# Altium PCB UHF-QM1.PcbDoc (part 1 of 2)
Units mm, origin at the board's own origin, x right, y up, seen from the top; angles counter-clockwise.
Board outline 90.12 x 93.93 mm, 4 copper layers (Top Layer, Inner 1 GND, Inner 2 GND, Bottom Layer), stack 1.515 mm thick; 122 components, 85 nets, 507 pads, 430 vias.
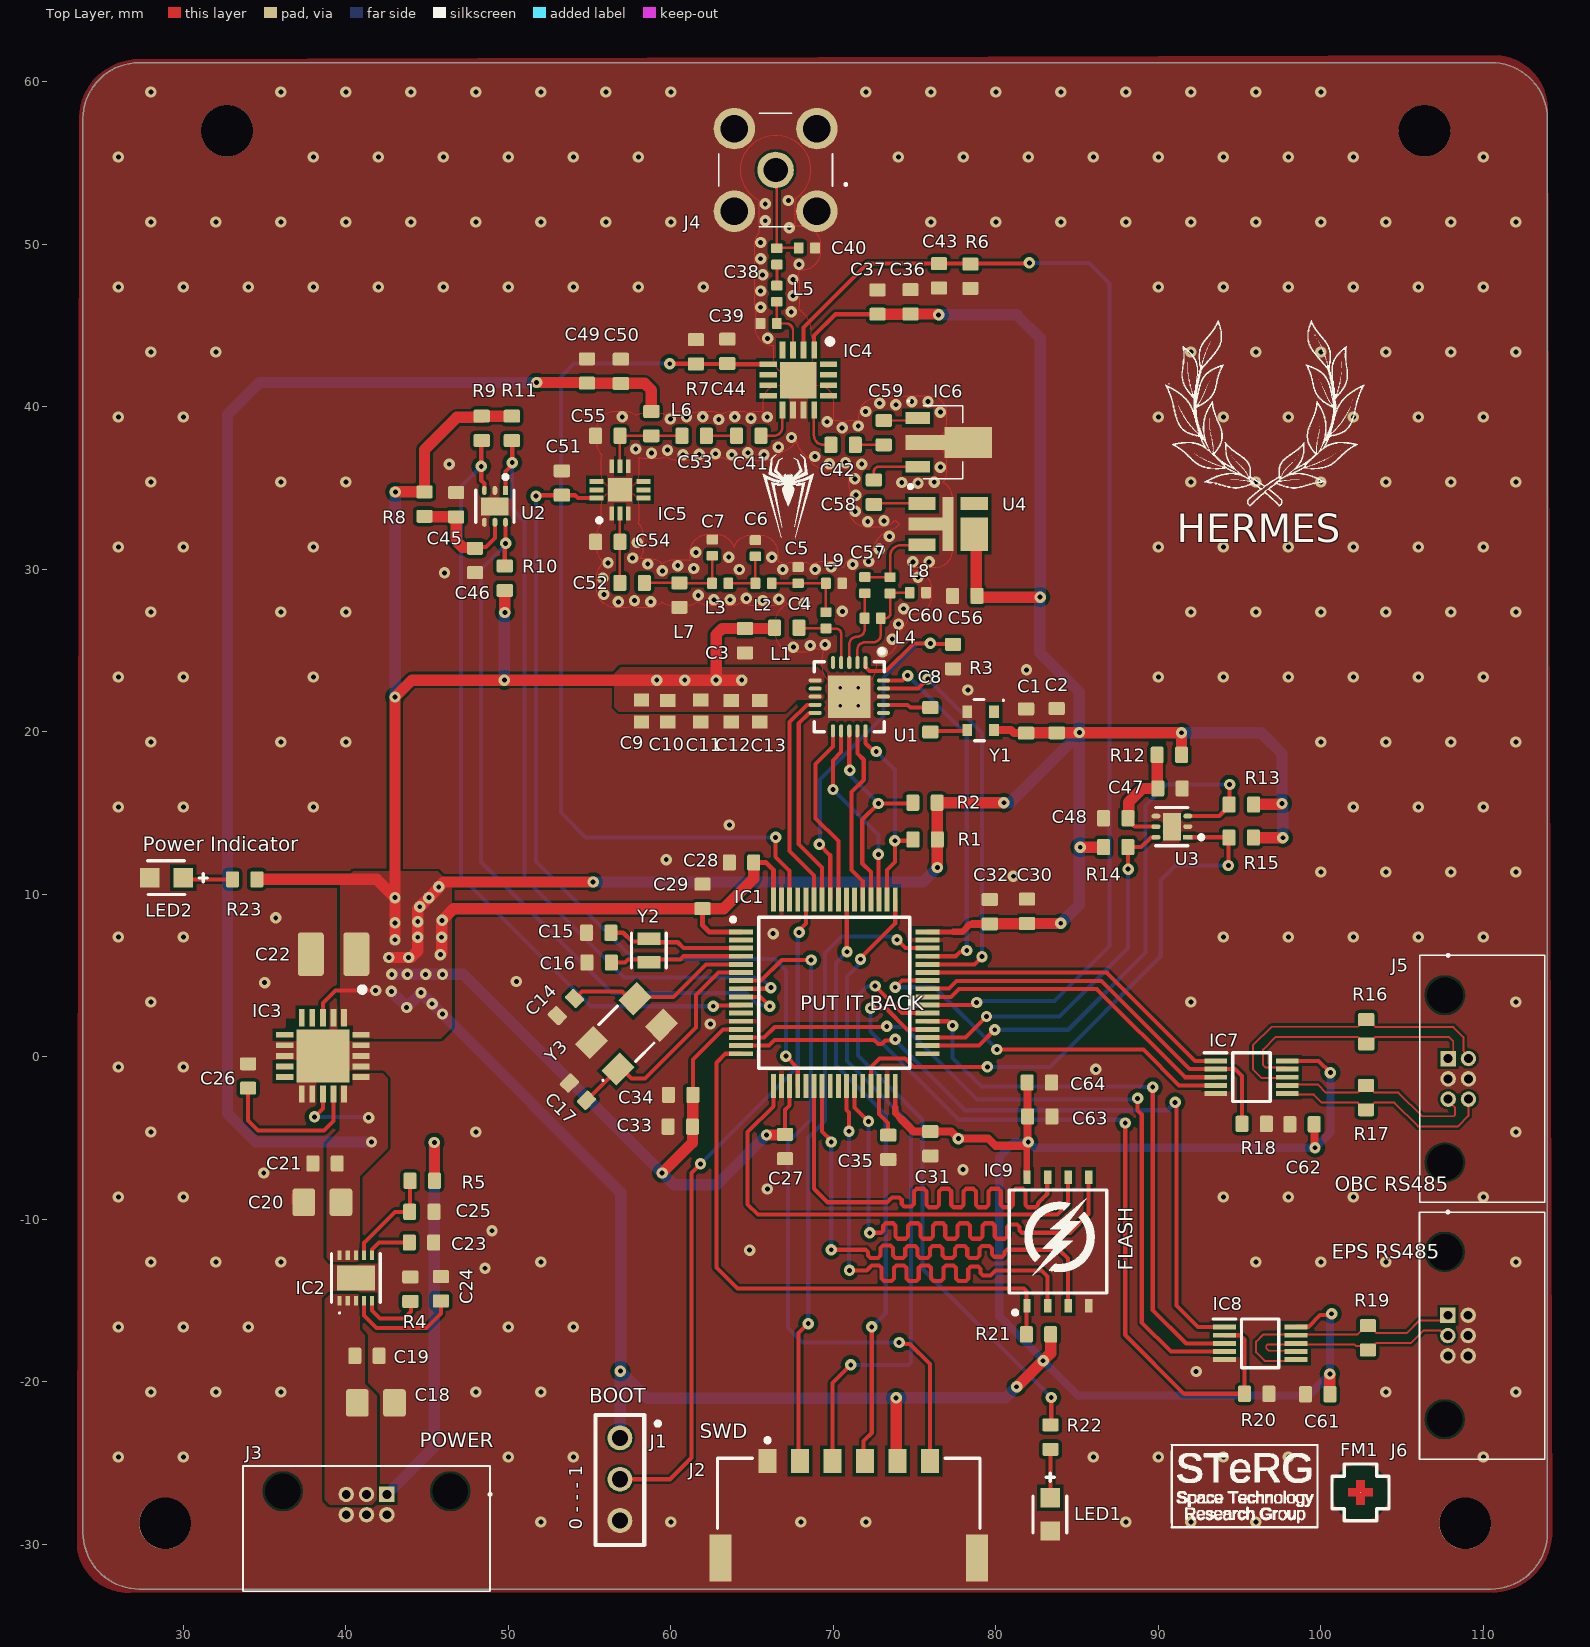
[diagram p0: Top Layer view]
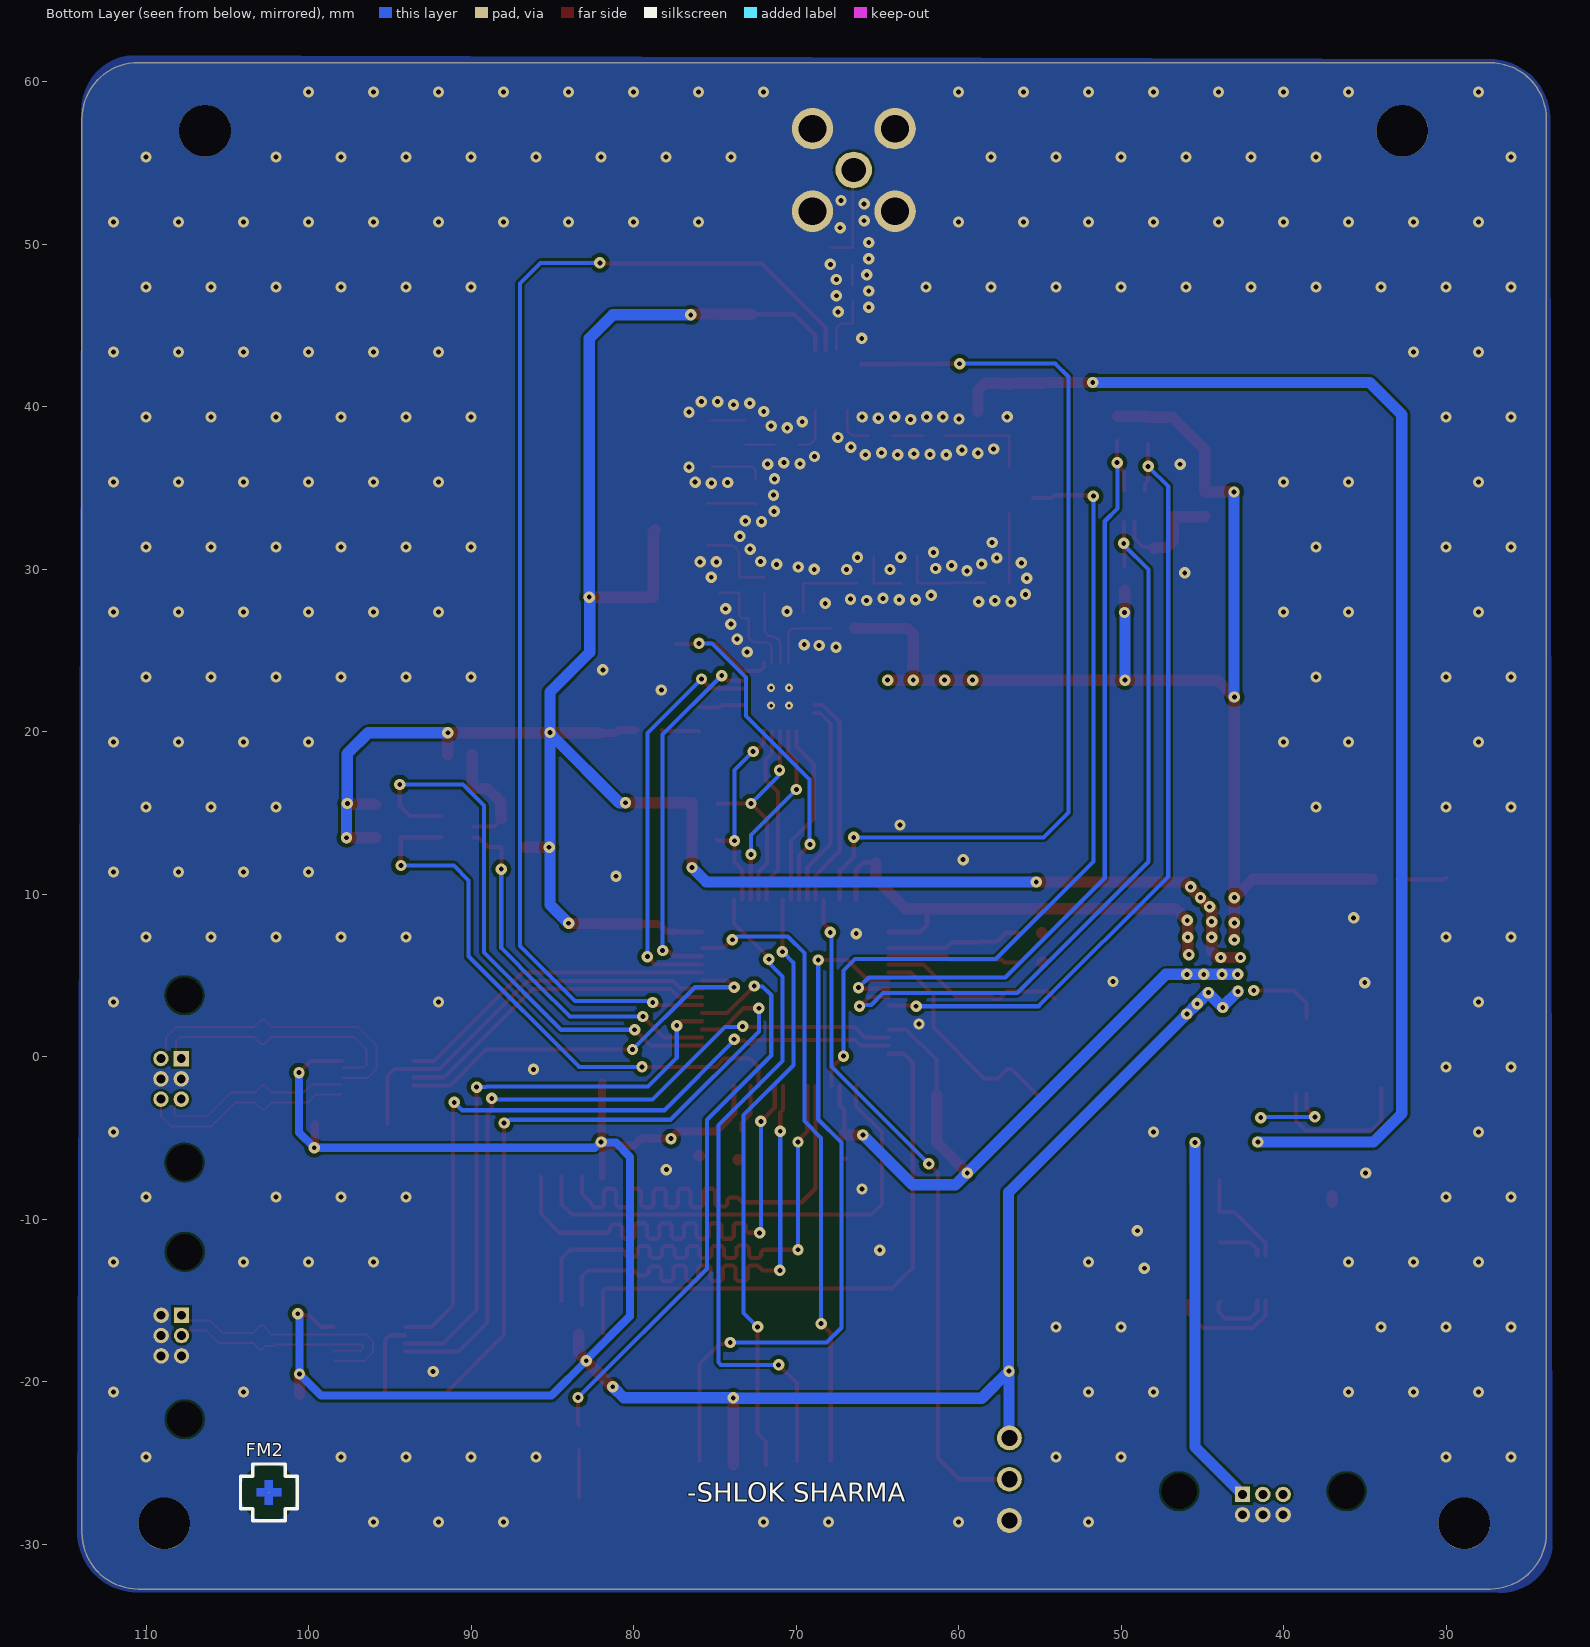
[diagram p1: Bottom Layer view, seen from below]
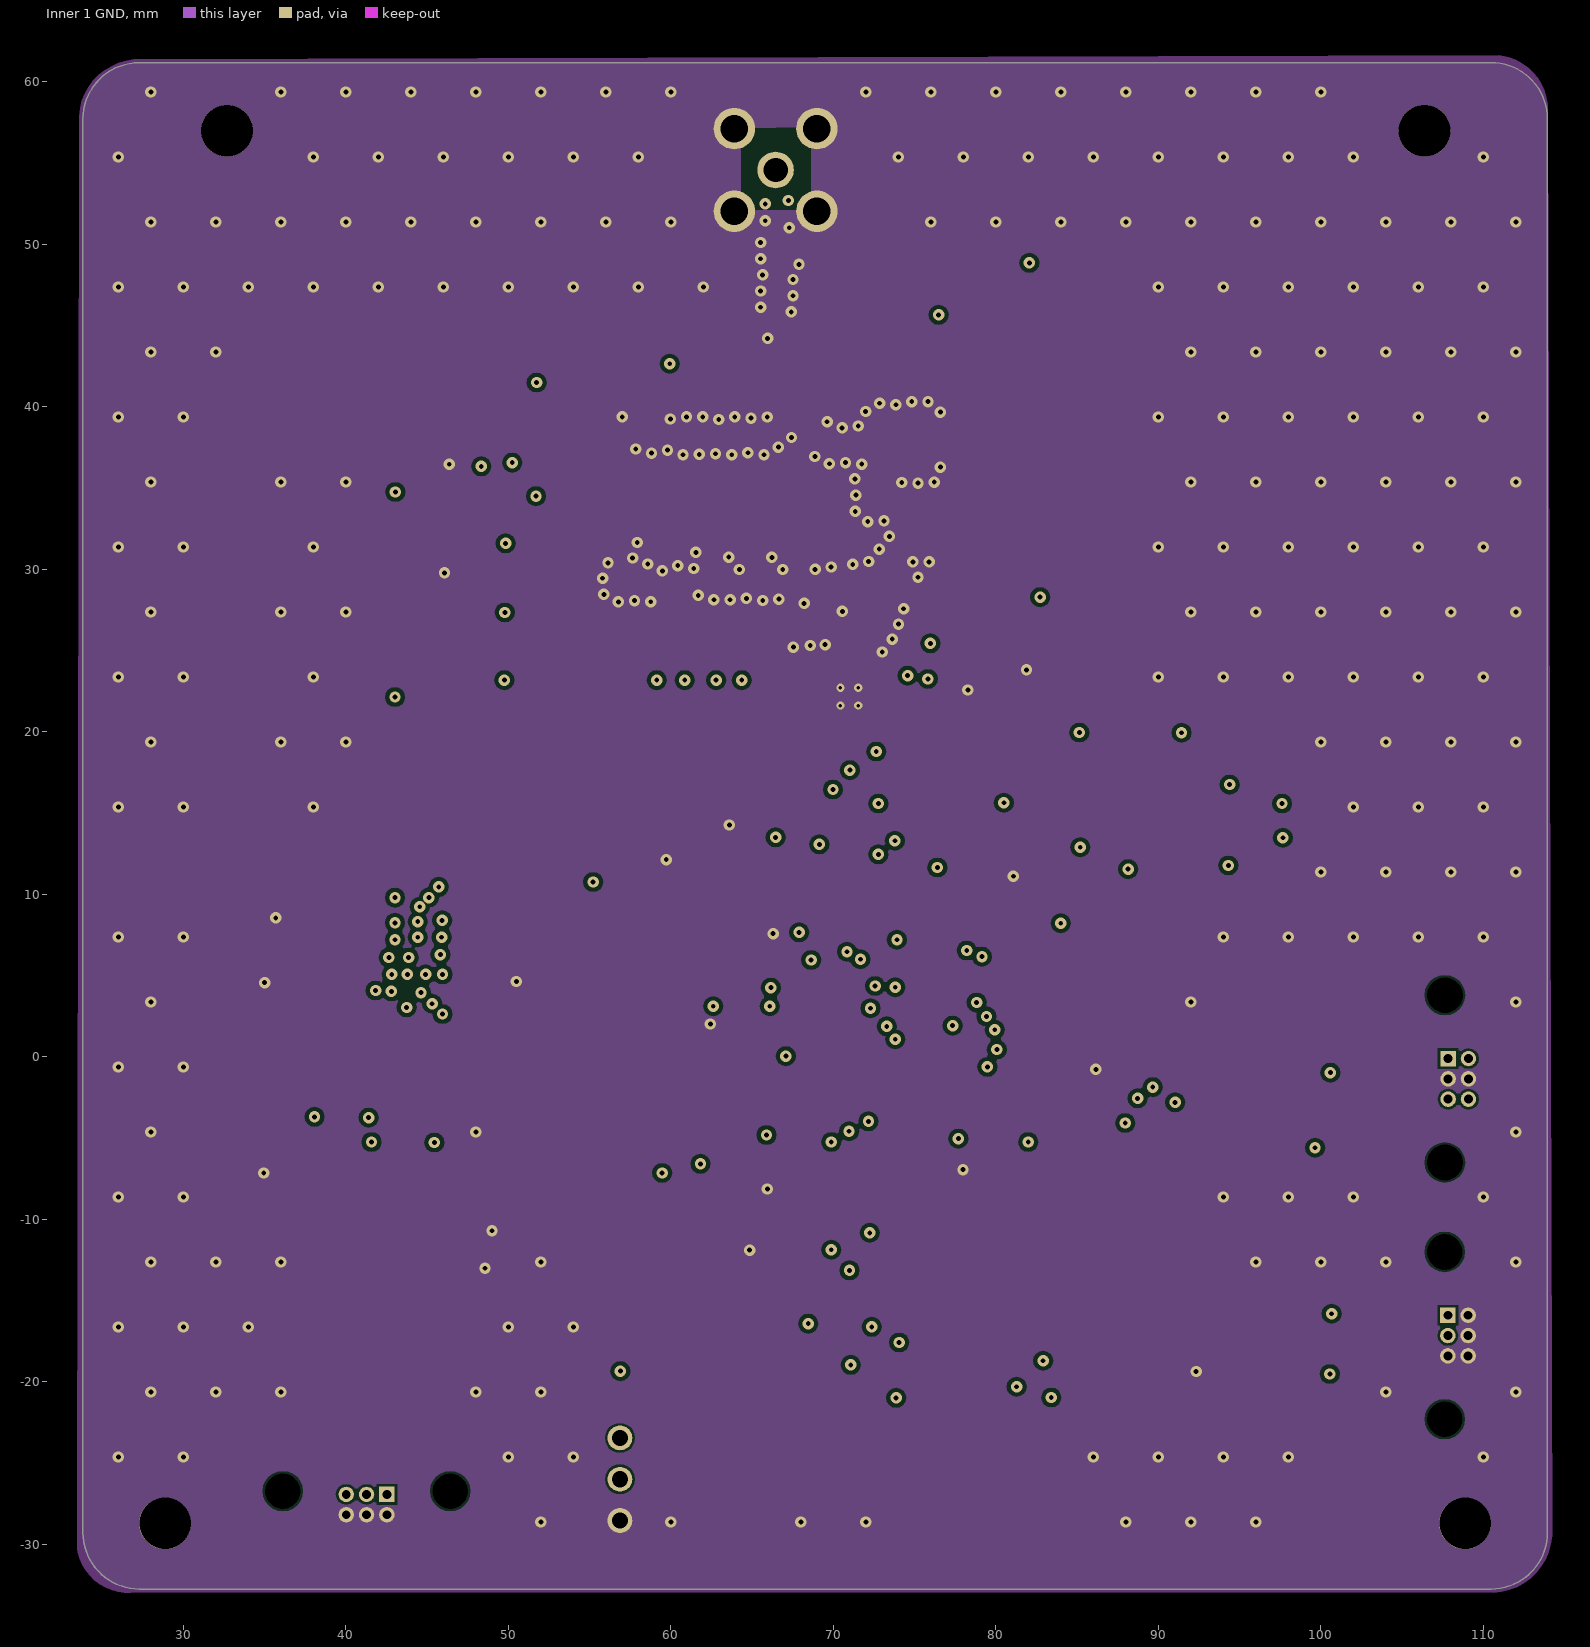
[diagram p2: Inner 1 GND]
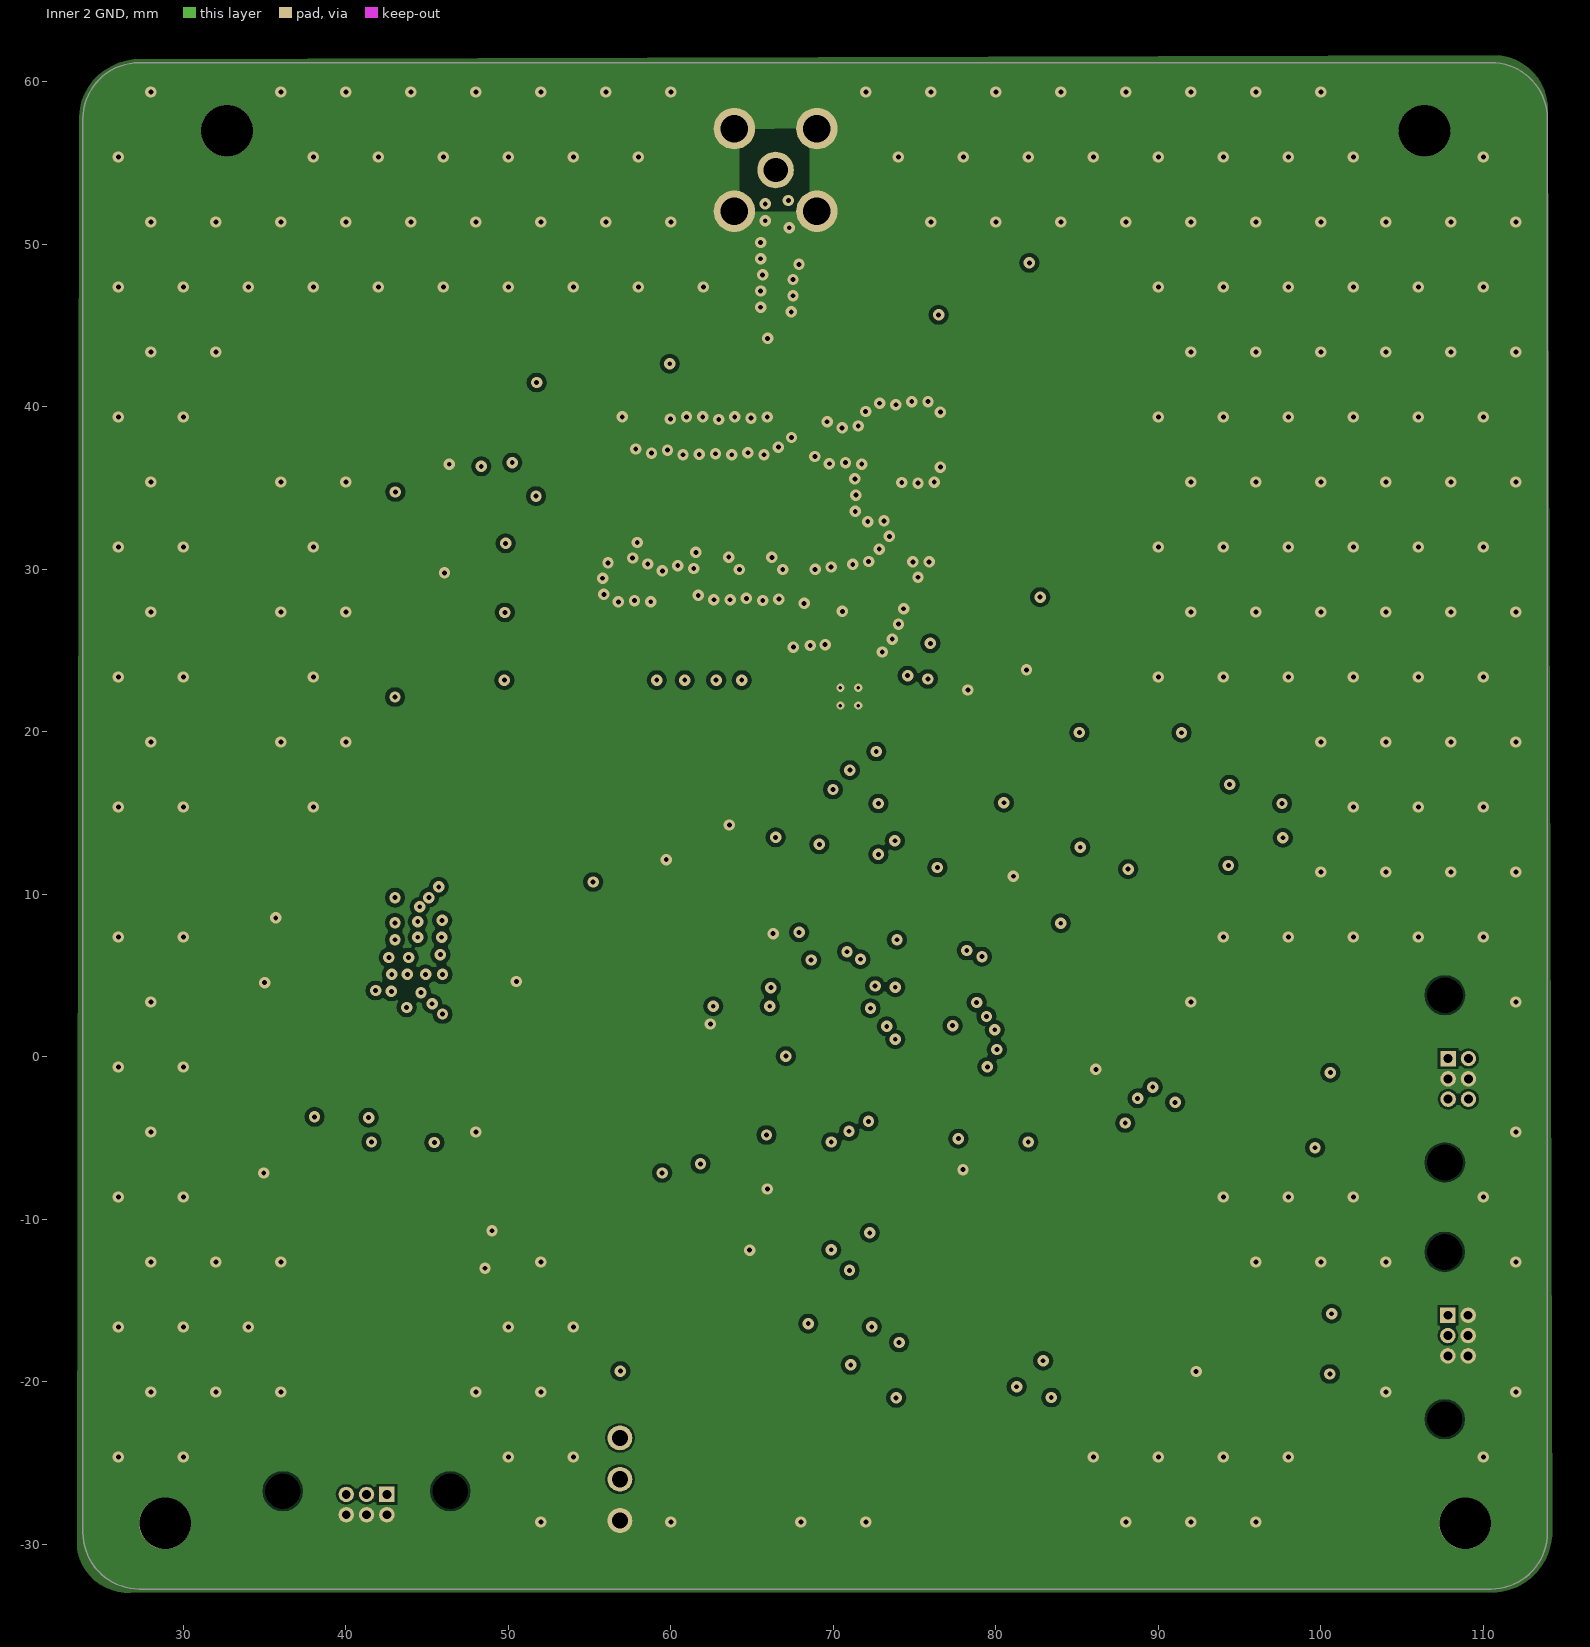
[diagram p3: Inner 2 GND]
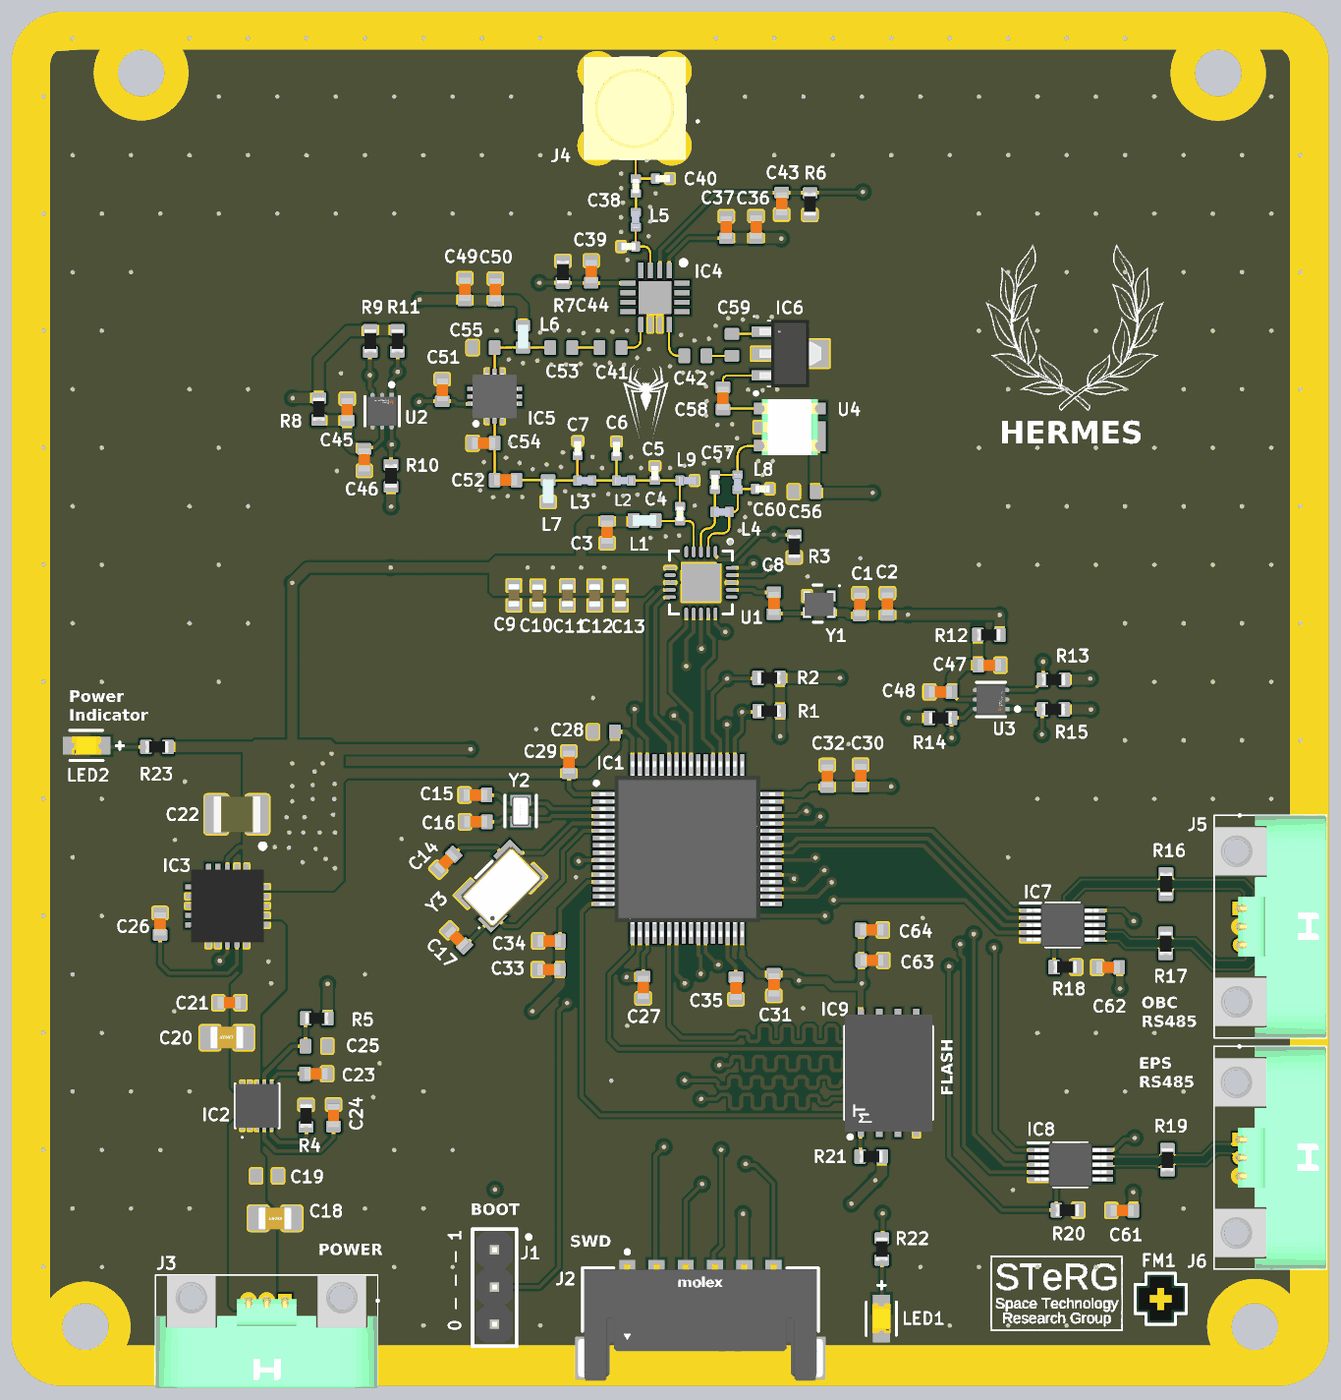
[diagram p5: 3D render of the assembled board from above, using the file's embedded part models]

## Layer stack, top to bottom
Top Solder: solder mask 0.025, SM-001, Dk 4
Top Layer: signal copper 0.0175
Dielectric 1: prepreg 0.105, PP-014, Dk 4.2
Inner 1 GND: signal copper 0.035
Dielectric 3: core 1.2, Core-043, Dk 4.3
Inner 2 GND: signal copper 0.035
Dielectric 4: prepreg 0.105, PP-014, Dk 4.2
Bottom Layer: signal copper 0.0175
Bottom Solder: solder mask 0.025, SM-001, Dk 4

## Board outline
23.825,-29.272 23.825,57.72 cw(c27.294,57.72) 27.294,61.189 110.476,61.189 cw(c110.476,57.72) 113.944,57.72 113.944,-29.272 cw(c110.476,-29.272) 110.476,-32.741 27.294,-32.741 cw(c27.294,-29.272)

## Design rules (kind name [scope] priority, off if disabled: settings)
BoardOutlineClearance [(InNet('GND') AND IsPolygon)] p1: gap=0.254 ignorepadtopadclearanceinfootprint=FALSE except(0: Arc-SplitContinuation Track-SplitContinuation SMDPad-SplitContinuation THPad-SplitContinuation Via-SplitContinuation Fill-SplitContinuation Poly-OutlineEdge Poly-SplitContinuation Region-SplitContinuation Text-SplitContinuation)
Clearance [All] p1: gap=0.15 ignorepadtopadclearanceinfootprint=FALSE except(0.127: Arc-THPad Arc-Text Arc-Hole Track-THPad Track-Text Track-Hole SMDPad-THPad SMDPad-Hole THPad-THPad THPad-Hole Via-Hole Fill-Hole Poly-Hole Region-Hole Text-Hole; 0.2: Arc-Arc Arc-Track Track-Track SMDPad-Fill SMDPad-Poly SMDPad-Region; 0.25: Via-Fill Via-Poly Via-Region; 0.254: Arc-Via Track-Via SMDPad-Via SMDPad-Text THPad-Via THPad-Text Via-Via Via-Text Fill-Text Poly-Text Region-Text Text-Text)
DiffPairsRouting [All] p1: maxlimit=1.5 minlimit=0.07 mostfreqgap=0.5 toplayer_minwidth=0.12 toplayer_maxwidth=0.15 toplayer_prefwidth=0.12 midlayer1_mingap=0.1 midlayer1_minwidth=0.12 midlayer1_maxwidth=0.15 midlayer1_prefwidth=0.12 midlayer2_mingap=0.1 midlayer2_minwidth=0.12 midlayer2_maxwidth=0.15 midlayer2_prefwidth=0.12 bottomlayer_mingap=0.1 bottomlayer_minwidth=0.12 bottomlayer_maxwidth=0.15 bottomlayer_prefwidth=0.12 maxuncoupledlength=12.7
HoleSize [All] p1: absolutevalues=TRUE maxlimit=3.5 minlimit=0.025 maxpercent=80.000 minpercent=20.000
MatchedLengths [InNetClass('FLASH')] p1: tolerance=25.4 checknetsindiffpair=FALSE checkdiffpairvsdiffpair=TRUE checkxsignals=TRUE checkothers=TRUE usedelayunits=TRUE delaytolerance=20.000000
MinimumSolderMaskSliver [All] p1: minsoldermaskwidth=0.05
PolygonConnect [All] p1: connectstyle=Direct reliefconductorwidth=0.254 reliefentries=4 polygonreliefangle="90 Angle" airgapwidth=0.254
RoutingVias [All] p1: holewidth=0.3 width=0.7 viastyle="Through Hole" minholewidth=0.3 minwidth=0.7 maxholewidth=0.3 maxwidth=0.7
SilkToSilkClearance [All] p1: silktosilkclearance=0.15
SilkToSolderMaskClearance [IsPad] p1: minsilkscreentomaskgap=0.15 clearancetoexposedcopper=TRUE
SolderMaskExpansion [All] p1: expansion=0.102 istentingtop=FALSE
SupplyNets "Schematic Supply Nets_1" [InNet('12vefuse')] p1: voltage=0.000
SupplyNets "Schematic Supply Nets_3" [InNet('12v')] p2: voltage=0.000
SupplyNets "Schematic Supply Nets_2" [InNet('GND')] p3: voltage=0.000
SupplyNets "Schematic Supply Nets" [InNet('3v3')] p4: voltage=0.000
Width [InNetClass('rf')] p1: maxlimit=0.254 minlimit=0.1 preferedwidth=0.254 toplayer_maxwidth=0.18 toplayer_prefwidth=0.175 midlayer2_minwidth=0.11 bottomlayer_minwidth=0.11 bottomlayer_maxwidth=0.18 bottomlayer_prefwidth=0.175 minimp=50.000000 maximp=50.000000 favimp=50.000000
25 further rules are at their usual default settings.

## Classes and differential pairs
component class Flash: C63 C64 IC9 LED1 LED2 R21 R22 R23
net class N000-1_[0..3]: FLASH_QSPI_IO0 FLASH_QSPI_IO1 FLASH_QSPI_IO2 FLASH_QSPI_IO3
net class FLASH: FLASH_QSPI_IO0 FLASH_QSPI_IO1 FLASH_QSPI_IO2 FLASH_QSPI_IO3 FLASH_QSPI_SCK
net class rf: BiasOut LNAIN Lnaout NetC4_2 NetC6_2 NetC38_1 NetC38_2 NetC39_2 PA_IN PA_IN_2 PAout RF1TX RF2RX RF_Tx rfBIAS RFRx_N RFRx_P Switch_RX Switch_TX
component class RS485: 332 C61 C62 IC7 IC8 J5 J6 R16 R17 R18 R19 R20
component class RFnetwork: 3 C49 C50 C51 C52 C53 C54 C55 C56 C57 C58 C59 C60 IC5 IC6 L6 L7 L8 L9 U4
component class RFswitch: C36 C37 C38 C39 C40 C41 C42 C43 C44 IC4 J4 L5 R6 R7
component class TempSensor: C45 C46 C47 C48 R8 R9 R10 R11 R12 R13 R14 R15 U2 U3
component class si_chip: C1 C2 C3 C4 C5 C6 C7 C8 C9 C10 C11 C12 C13 L1 L2 L3 L4 R1 R2 R3 U1 Y1
component class power: 3 C18 C19 C20 C21 C22 C23 C24 C25 C26 C27 C28 C29 C30 C31 C32 C33 C34 C35 IC2 IC3 J3 R4 R5
component class Stm32: C14 C15 C16 C17 IC1 J1 J2 Y2 Y3
differential pair RFRx: +RFRx_P -RFRx_N
differential pair EPS: +EPS_P -EPS_N
differential pair OBC_OUT: +OBC_OUT_P -OBC_OUT_N
differential pair OBC_IN: +OBC_IN_P -OBC_IN_N
